# Allegro board RK3588_Template_LP4XD200P232SD8_41R0X41R0_2133MHz_H1R0_V10_20211230.brd (continued)
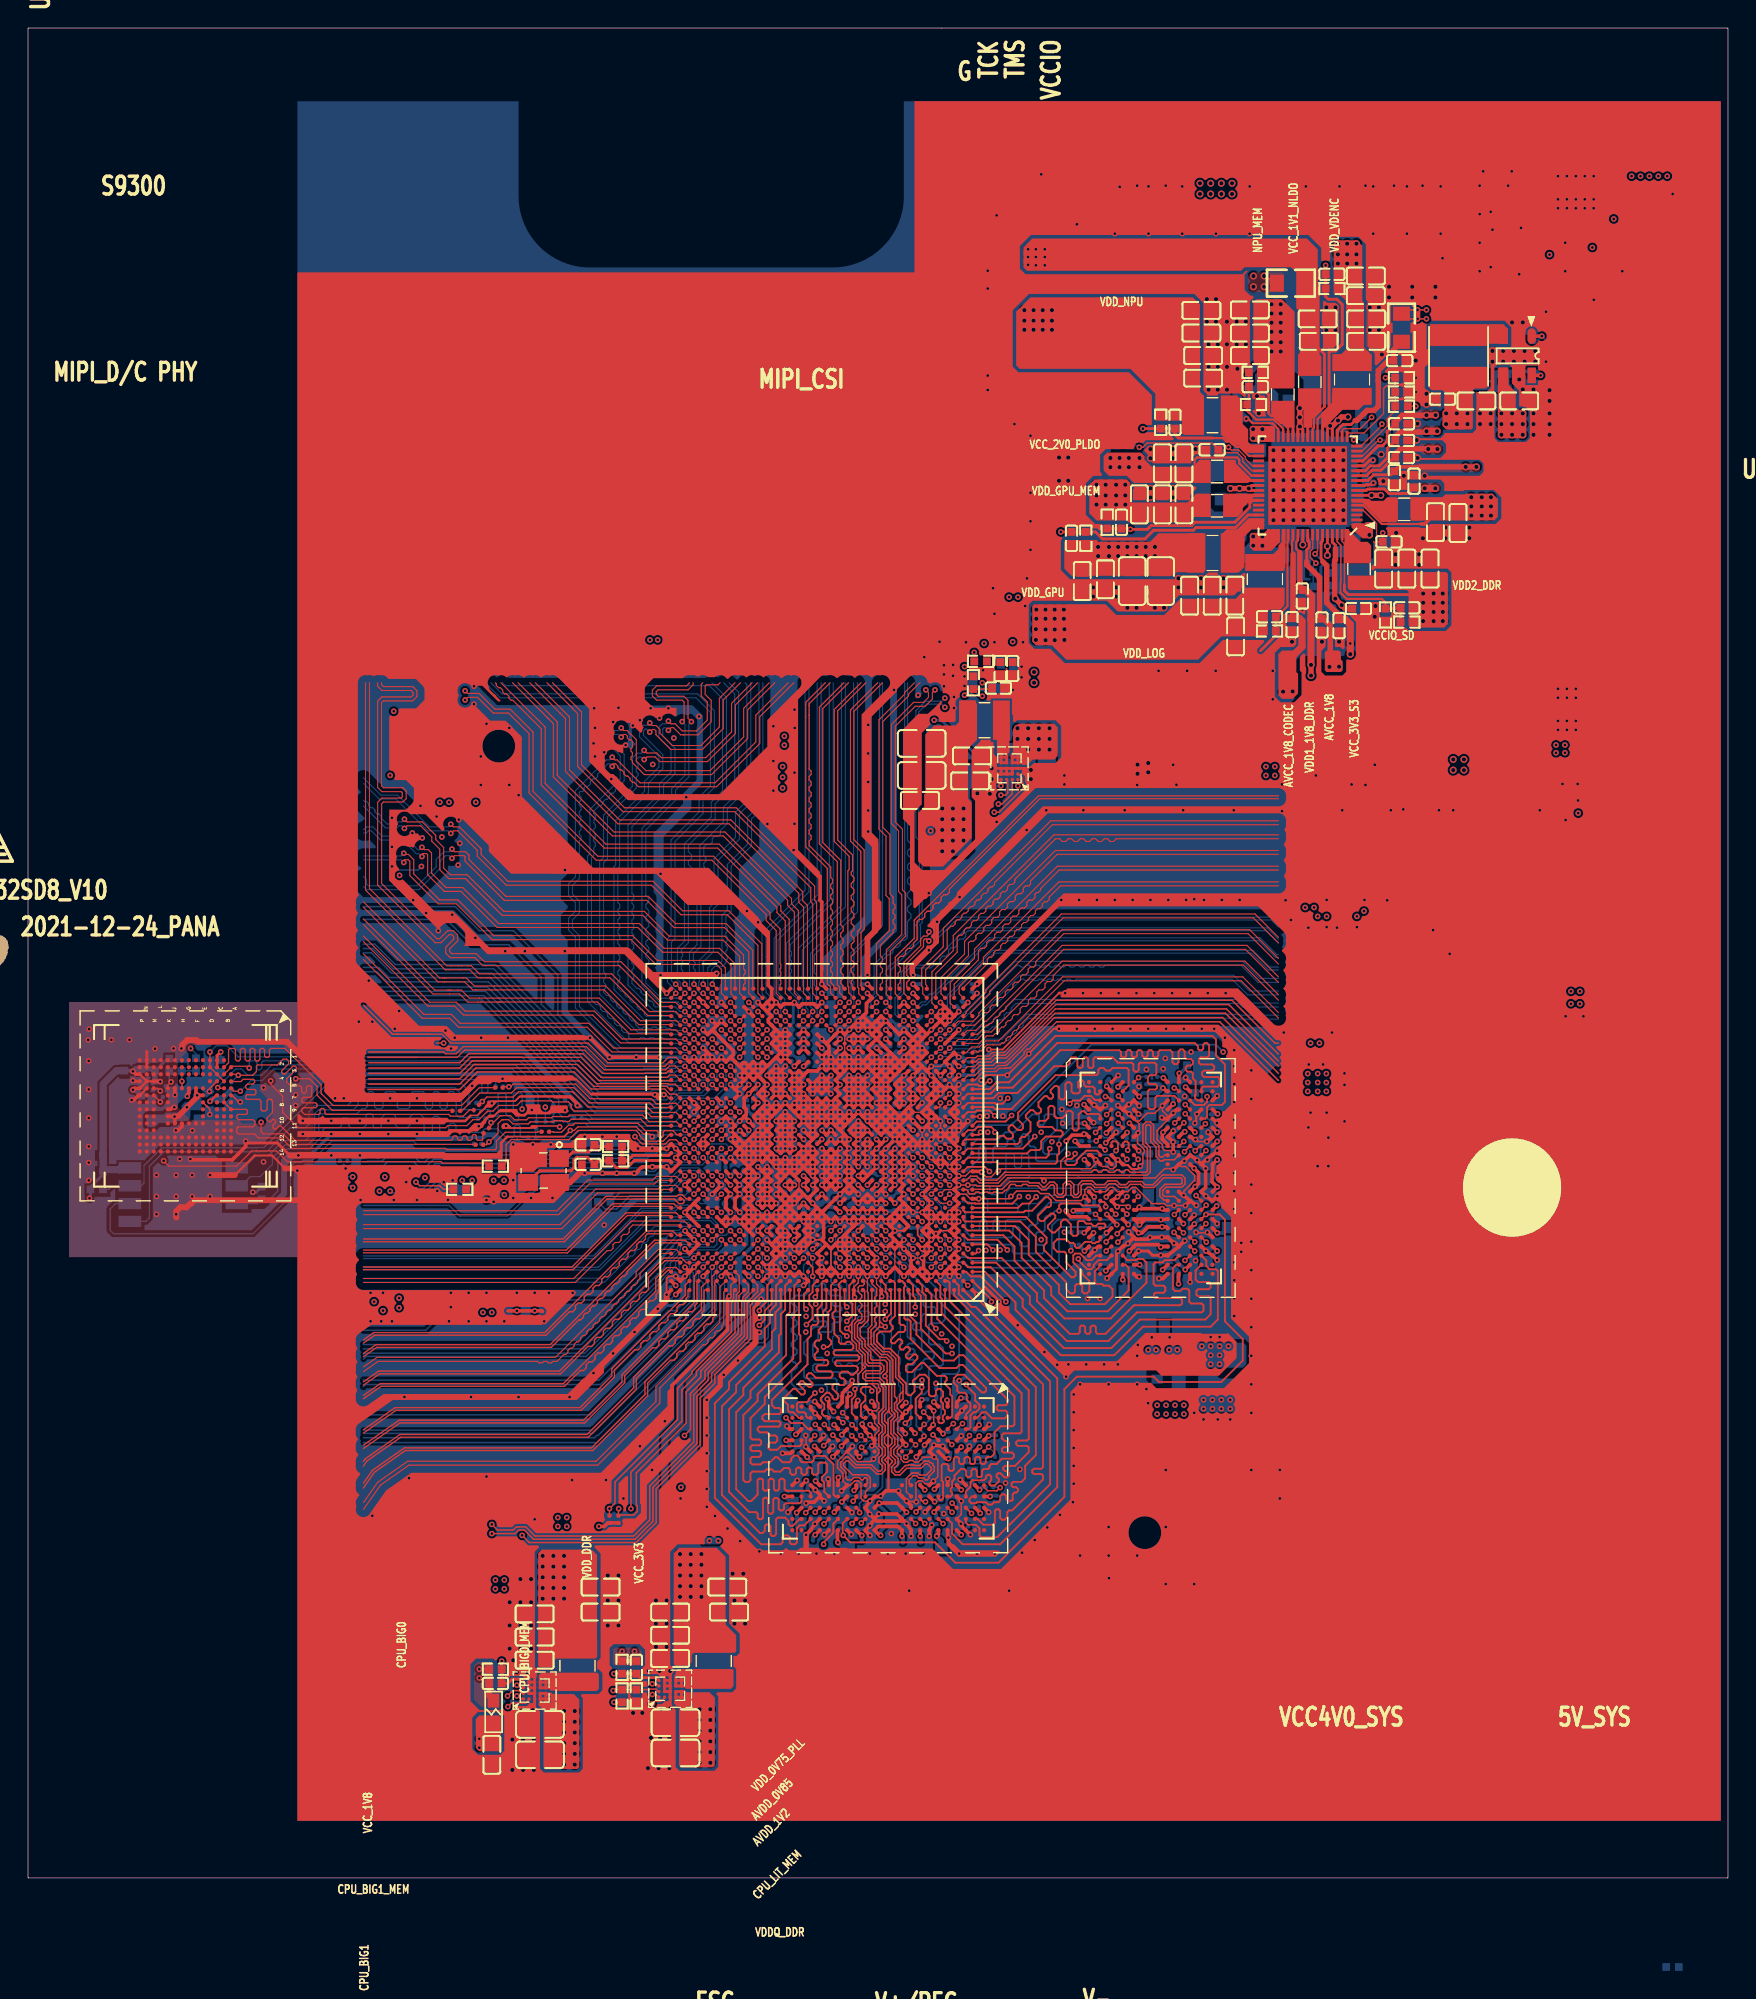
[diagram p0: board, top side]
## Routing (per net, layer and track width the routed paths; a pad name or vN(x,y) marks a point on that pad's centre or on a via; arc(x,y) is an arc through that point) (continued)
MIPI_DPHY0_RX_CLKP: length 24.4
  TOP w0.076: U1000.AN32 v1(47.41,62.98)
  BOTTOM w0.076: v1(47.42,62.98) 47.09,63.3 47.09,65.9 47.62,66.44 47.62,69.42 47.83,69.62 47.83,73.5 49.5,75.18 49.5,76.23 50.31,77.03 50.31,84.29 49.52,85.09
MIPI_DPHY0_RX_D0N: length 24.2
  TOP w0.076: U1000.AP29 v1(48.72,63.63)
  BOTTOM w0.076: 52.32,85.09 52.32,76.2 51.51,75.4 51.51,73.48 50.06,72.03 50.06,68.79 49.68,68.41 49.68,67.73 49.78,67.63 49.78,67.4 49.68,67.3 49.68,67.07 49.78,66.97 49.78,66.74 49.68,66.64 49.68,66.41 49.78,66.3 49.78,66.08 49.68,65.97 49.68,65.75 49.78,65.64 49.78,65.42 49.68,65.31 49.68,65.14 49.44,64.9 48.9,64.9 48.68,64.68 48.68,64.23 48.84,64.06 48.84,63.95 48.68,63.79 48.68,63.67 v1(48.72,63.63)
MIPI_DPHY0_RX_D0P: length 24.5
  TOP w0.076: U1000.AN29 v1(48.72,62.98)
  BOTTOM w0.076: v1(48.72,62.98) 48.4,63.3 48.4,64.79 48.78,65.18 49.33,65.18 49.4,65.25 49.4,68.52 49.78,68.91 49.78,72.15 51.23,73.6 51.23,75.51 52.04,76.32 52.04,85.09
MIPI_DPHY0_RX_D1N: length 23.3
  TOP w0.076: U1000.AP30 v1(48.07,63.63)
  BOTTOM w0.076: v1(48.07,63.63) 48.07,65.21 48.79,65.94 48.79,68.97 49.12,69.3 49.12,72.44 50.65,73.96 50.65,75.75 51.45,76.56 51.45,85.08 51.45,85.09
MIPI_DPHY0_RX_D1P: length 24.3
  TOP w0.076: U1000.AN30 v1(48.07,62.98)
  BOTTOM w0.076: 51.05,85.09 51.17,84.97 51.17,76.68 50.37,75.87 50.37,74.08 48.84,72.56 48.84,69.41 48.51,69.08 48.51,66.05 47.79,65.33 47.79,63.79 47.75,63.75 47.75,63.12 47.89,62.98 v1(48.07,62.98)
MIPI_DPHY0_RX_D2N: length 24.8
  TOP w0.076: U1000.AP32 v1(46.77,63.63)
  BOTTOM w0.076: 48.69,85.09 49.73,84.05 49.73,77.28 48.92,76.47 48.92,75.42 47.02,73.51 47.02,73.06 47.24,72.83 47.24,72.6 47.02,72.38 47.02,72.15 47.24,71.92 47.24,71.69 47.02,71.46 47.02,71.23 47.24,71 47.24,70.78 47.02,70.55 47.02,70.32 47.24,70.09 47.24,69.86 47.02,69.63 47.02,66.57 46.51,66.07 46.51,65.89 46.61,65.79 46.61,65.63 46.51,65.53 46.51,65.35 46.61,65.25 46.61,65.02 46.51,64.92 46.51,64.69 46.61,64.59 46.61,64.36 46.51,64.26 46.51,64.08 46.71,63.88 46.71,63.68 v1(46.77,63.63)
MIPI_DPHY0_RX_D2P: length 39.1
  TOP w0.076: U1000.AN33 v1(46.76,62.98)
  BOTTOM w0.076: 33.78,85.09 33.98,84.89 48.5,84.89 49.45,83.94 49.45,77.39 48.64,76.59 48.64,75.54 46.74,73.63 46.74,66.69 46.23,66.18 46.23,63.97 46.43,63.76 46.43,63.31 v1(46.77,62.98)
MIPI_DPHY0_RX_D3N: length 38.1
  TOP w0.076: U1000.AP33 v1(46.12,63.63)
  BOTTOM w0.076: 32.95,85.09 33.1,84.94 33.74,84.3 47.66,84.3 48.86,83.1 48.86,77.63 48.06,76.83 48.06,76.34 48.06,75.78 46.06,73.78 46.06,66.87 45.81,66.62 45.81,63.88 46.06,63.63 v1(46.12,63.63)
MIPI_DPHY0_RX_D3P: length 38.9
  TOP w0.076: U1000.AN34 v1(46.11,62.98)
  BOTTOM w0.076: 32.56,85.09 32.82,84.83 33.62,84.02 47.55,84.02 48.58,82.99 48.58,77.75 47.78,76.94 47.78,76.71 47.78,76.23 47.78,75.89 45.78,73.9 45.78,67.12 45.53,66.86 45.53,63.77 46.12,63.18 v1(46.12,62.98)
MIPI_DPHY0_TX_CLKN: length 35.8
  TOP w0.076: v1(26.8,75.37) 26.98,75.18 28.07,75.18 29.02,74.23 29.02,73.92 29.59,73.36 29.59,71.9 30.06,71.42 31.25,71.42 33.87,68.81 43.88,68.81 45.65,67.04 49.61,67.04 50.94,65.7 50.94,64.72 51,64.66 51.05,64.61 51.05,64.38 51,64.32 50.94,64.27 50.94,64.04 51,63.99 51.05,63.93 51.05,63.7 51,63.65 50.94,63.59 50.94,63.35 U1000.AP26
  BOTTOM w0.076: 23.88,76.72 23.96,76.64 24.02,76.64 24.02,76.64 24.08,76.64 24.24,76.48 24.24,76.42 24.24,76.35 24.41,76.19 24.47,76.19 24.47,76.19 24.53,76.19 24.69,76.03 24.69,75.97 24.69,75.9 24.86,75.74 24.92,75.74 24.92,75.74 24.98,75.74 25.14,75.58 25.14,75.52 25.14,75.45 25.57,75.03 26.15,75.03 26.3,75.18 26.61,75.18 v1(26.8,75.37)
MIPI_DPHY0_TX_CLKP: length 35.6
  TOP w0.076: U1000.AN26 50.66,62.98 50.66,65.59 49.49,66.76 45.54,66.76 43.77,68.53 33.75,68.53 31.14,71.14 29.95,71.14 29.31,71.78 29.31,73.24 28.74,73.81 28.74,74.11 27.95,74.9 26.98,74.9 v1(26.8,74.72)
  BOTTOM w0.076: 23.88,76.33 25.45,74.75 26.26,74.75 26.42,74.9 26.61,74.9 v1(26.8,74.72)
MIPI_DPHY0_TX_D0N: length 36.9
  TOP w0.076: v1(30.1,75.02) 30.29,74.83 30.71,74.83 32.26,73.28 32.26,72.86 34.16,70.95 44.5,70.95 46.6,68.85 49.89,68.85 52.24,66.5 52.24,63.35 U1000.AP24
  BOTTOM w0.076: 23.88,78.32 25.11,77.09 26.3,77.09 28.56,74.83 29.91,74.83 v1(30.1,75.02)
MIPI_DPHY0_TX_D0P: length 37.1
  TOP w0.076: v1(30.1,74.36) 30.29,74.55 30.59,74.55 31.98,73.16 31.98,72.75 34.05,70.68 44.39,70.68 46.49,68.57 49.78,68.57 51.97,66.38 51.97,62.98 U1000.AN24
  BOTTOM w0.076: v1(30.1,74.36) 29.91,74.55 28.45,74.55 26.19,76.81 25,76.81 23.88,77.93
MIPI_DPHY0_TX_D1N: length 35.5
  TOP w0.076: v1(30.18,73.24) 30.37,73.06 31.15,73.06 31.39,72.82 31.39,72.5 34.02,69.88 44.17,69.88 46.11,67.94 49.7,67.94 51.59,66.04 51.59,63.35 U1000.AP25
  BOTTOM w0.076: 23.88,71.29 24.09,71.08 24.09,70.77 24.23,70.64 27.71,70.64 29.06,71.98 29.06,72.51 29.6,73.06 29.99,73.06 v1(30.18,73.24)
MIPI_DPHY0_TX_D1P: length 35.4
  TOP w0.076: v1(30.18,72.59) 30.37,72.78 31.04,72.78 31.12,72.7 31.12,72.39 33.91,69.6 44.05,69.6 45.99,67.66 49.59,67.66 51.31,65.93 51.31,62.98 U1000.AN25
  BOTTOM w0.076: 23.88,70.59 24.11,70.36 27.83,70.36 29.34,71.87 29.34,72.4 29.72,72.78 29.99,72.78 v1(30.18,72.59)
MIPI_DPHY0_TX_D2N: length 33.3
  TOP w0.076: U1000.AP27 50.33,63.31 50.33,65.09 49.24,66.18 45.29,66.18 43.53,67.95 33.51,67.95 30.94,70.51 29.76,70.51 28.73,71.54 28.73,72.97 28.49,73.21 28.21,73.21 v1(28.04,73.37)
  BOTTOM w0.076: v1(28.04,73.37) 27.87,73.2 27.76,73.2 27.15,73.81 26.79,73.81 26.43,74.17 25.21,74.17 24.55,74.83 24.13,74.83 23.96,74.67 23.88,74.67
MIPI_DPHY0_TX_D2P: length 33.7
  TOP w0.076: v1(28.04,72.72) 28.04,72.87 28.1,72.93 28.37,72.93 28.45,72.85 28.45,71.42 29.59,70.28 29.64,70.23 30.83,70.23 33.39,67.67 43.41,67.67 45.18,65.9 49.12,65.9 50.05,64.97 50.05,62.94 U1000.AN27
  BOTTOM w0.076: 23.88,74.39 24.08,74.39 24.24,74.55 24.43,74.55 25.09,73.89 26.31,73.89 26.67,73.53 27.03,73.53 27.65,72.92 27.84,72.92 v1(28.04,72.72)
MIPI_DPHY0_TX_D3N: length 31.3
  TOP w0.076: U1000.AP28 49.64,63.35 49.64,64.8 49.13,65.32 44.81,65.32 43.04,67.08 33.15,67.08 30.6,69.63 29.3,69.63 27.46,71.48 27.46,72.49 27.09,72.86 26.82,72.86 26.75,72.94 v1(26.75,72.95)
  BOTTOM w0.076: 23.88,72.76 26.56,72.76 v1(26.75,72.95)
MIPI_DPHY0_TX_D3P: length 31.7
  TOP w0.076: U1000.AN28 49.36,62.98 49.36,64.68 49.01,65.04 44.69,65.04 42.93,66.8 33.04,66.8 30.49,69.35 29.19,69.35 27.18,71.36 27.18,72.38 27.06,72.5 26.82,72.5 26.75,72.42 v1(26.75,72.29)
  BOTTOM w0.076: 23.88,72.48 26.56,72.48 v1(26.75,72.29)
MIPI_DPHY1_RX_CLKN: length 25.9
  TOP w0.076: U1000.AL20 v1(55.21,61.68)
  BOTTOM w0.076: v1(55.22,61.68) 55.19,61.68 55.12,61.75 55.12,62.04 55.16,62.08 55.16,62.58 54.26,63.47 54.26,63.92 54.36,64.01 54.36,64.17 54.26,64.26 54.26,64.39 54.36,64.48 54.36,64.64 54.26,64.73 54.26,64.95 54.31,65 54.36,65.04 54.36,65.27 54.31,65.32 54.26,65.36 54.26,65.59 54.31,65.64 54.36,65.68 54.36,65.91 54.31,65.96 54.26,66 54.26,66.42 57.33,69.49 57.33,69.72 57.33,70.43 57.33,70.43 57.33,85.09
MIPI_DPHY1_RX_CLKP: length 26.3
  TOP w0.076: U1000.AK20 v1(55.21,61.03)
  BOTTOM w0.076: v1(55.22,61.03) 54.84,61.4 54.84,62.15 54.88,62.2 54.88,62.46 53.99,63.36 53.99,66.54 57.05,69.6 57.05,70.32 57.05,85.09
MIPI_DPHY1_RX_D0N: length 25.5
  TOP w0.076: U1000.AL18 v1(56.51,61.68)
  BOTTOM w0.076: 59.05,85.09 59.05,71.15 59.06,71.15 59.06,70.92 59.06,70.92 59.06,70.2 59.06,68.77 55.99,65.71 55.99,64.43 56.13,64.28 56.13,64.06 55.99,63.92 55.99,63.55 56.13,63.4 56.13,62.25 56.46,61.93 56.46,61.73 v1(56.52,61.68)
MIPI_DPHY1_RX_D0P: length 26.1
  TOP w0.076: U1000.AK18 v1(56.51,61.03)
  BOTTOM w0.076: v1(56.52,61.03) 56.52,61.23 56.18,61.56 56.18,61.81 55.85,62.14 55.85,63.29 55.71,63.43 55.71,65.82 58.78,68.89 58.78,69.49 58.78,69.49 58.78,70.32 58.78,71.03 58.78,71.03 58.78,85.09
MIPI_DPHY1_RX_D1N: length 25.4
  TOP w0.076: U1000.AL19 v1(55.86,61.68)
  BOTTOM w0.076: v1(55.87,61.68) 55.87,61.87 55.81,61.93 55.75,61.99 55.75,61.99 55.68,62.06 55.68,62.94 55.13,63.49 55.13,63.81 55.13,64.52 55.13,64.53 55.13,66.07 58.19,69.13 58.19,70.79 58.19,85.09
MIPI_DPHY1_RX_D1P: length 26.2
  TOP w0.076: U1000.AK19 v1(55.86,61.03)
  BOTTOM w0.076: v1(55.87,61.03) 55.87,61.23 55.53,61.56 55.53,61.81 55.47,61.87 55.47,61.87 55.4,61.95 55.4,62.83 54.85,63.37 54.85,63.69 54.85,63.69 54.85,64.41 54.85,64.41 54.85,64.41 54.85,66.18 57.91,69.24 57.91,70.68 57.91,70.68 57.91,85.09
MIPI_DPHY1_RX_D2N: length 25.4
  TOP w0.076: v1(53.92,61.68) U1000.AL21
  BOTTOM w0.076: 56.46,85.09 56.46,70.08 56.46,69.84 53.4,66.78 53.4,63.04 53.88,62.56 53.88,61.72 v1(53.92,61.68)
MIPI_DPHY1_RX_D2P: length 26.1
  TOP w0.076: U1000.AK21 v1(53.92,61.03)
  BOTTOM w0.076: v1(53.92,61.03) 53.6,61.35 53.6,62.45 53.12,62.92 53.12,66.9 56.18,69.96 56.18,85.09
MIPI_DPHY1_RX_D3N: length 25.9
  TOP w0.076: v1(53.27,61.68) U1000.AL22
  BOTTOM w0.076: v1(53.27,61.68) 53.08,61.49 52.95,61.49 52.83,61.61 52.83,62.75 52.54,63.05 52.54,63.68 52.54,63.68 52.54,64.4 52.54,65.6 52.54,67.14 55.6,70.2 55.6,85.09
MIPI_DPHY1_RX_D3P: length 26.4
  TOP w0.076: U1000.AK22 v1(53.27,61.03)
  BOTTOM w0.076: v1(53.27,61.03) 53.08,61.21 52.84,61.21 52.55,61.5 52.55,62.64 52.26,62.93 52.26,63.56 52.26,63.57 52.26,63.8 52.26,64.28 52.26,64.28 52.26,64.51 52.26,64.51 52.26,64.76 52.26,64.76 52.26,65 52.26,65.71 52.26,65.71 52.26,67.26 55.32,70.32 55.32,85.09
MIPI_DPHY1_TX_CLKN: length 34.7
  TOP w0.076: 34.89,85.09 37.3,82.68 37.68,82.29 37.68,78.53 37.68,78.5 41.72,74.46 49.62,74.46 54.36,69.72 54.36,69.35 54.84,68.87 54.84,63.35 U1000.AP20
MIPI_DPHY1_TX_CLKP: length 35.5
  TOP w0.076: 34.49,85.09 37.02,82.56 37.4,82.18 37.4,78.42 37.4,78.42 37.4,78.38 41.6,74.18 49.5,74.18 54.08,69.6 54.08,69.24 54.56,68.75 54.56,62.98 U1000.AN20
MIPI_DPHY1_TX_D0N: length 34.3
  TOP w0.076: U1000.AP18 56.14,63.35 56.14,69.47 56.01,69.61 56.01,70.61 50.43,76.19 42.47,76.19 39.41,79.25 39.41,83.01 39.03,83.39 39.03,83.4 37.34,85.09
MIPI_DPHY1_TX_D0P: length 35.1
  TOP w0.076: U1000.AN18 55.86,62.98 55.86,69.35 55.73,69.49 55.73,70.5 50.32,75.91 42.35,75.91 39.13,79.13 39.13,82.89 38.75,83.28 38.75,83.28 36.94,85.09
MIPI_DPHY1_TX_D1N: length 34.5
  TOP w0.076: U1000.AP19 55.49,63.35 55.49,69.23 55.15,69.57 55.15,70.21 50.04,75.32 42.11,75.32 38.54,78.89 38.54,82.65 38.16,83.03 38.16,83.04 36.12,85.09
MIPI_DPHY1_TX_D1P: length 35.3
  TOP w0.076: U1000.AN19 55.21,62.98 55.21,69.12 54.87,69.46 54.87,70.09 49.92,75.05 41.99,75.05 38.27,78.77 38.27,82.54 37.88,82.92 37.88,82.93 35.72,85.09
MIPI_DPHY1_TX_D2N: length 35
  TOP w0.076: U1000.AP21 54.19,63.35 54.19,68.25 53.59,68.85 53.59,69.21 49.21,73.6 41.14,73.6 36.82,77.92 36.82,81.94 33.66,85.09
MIPI_DPHY1_TX_D2P: length 36.1
  TOP w0.076: 33.27,85.09 33.34,85.02 33.34,84.9 33.5,84.74 33.62,84.74 33.78,84.57 33.78,84.45 33.95,84.29 34.07,84.29 34.23,84.13 34.23,84.01 34.39,83.85 34.51,83.85 36.54,81.82 36.54,77.81 41.03,73.32 49.1,73.32 53.31,69.1 53.31,68.73 53.91,68.13 53.91,62.98 U1000.AN21
MIPI_DPHY1_TX_D3N: length 36.6
  TOP w0.076: v1(31.12,84.52) 31.3,84.33 32.12,84.33 33.24,83.21 34.32,83.21 35.95,81.58 35.95,77.35 40.57,72.73 48.81,72.73 49.8,71.74 52.83,68.71 52.83,68.28 53.54,67.56 53.54,65.09 53.59,65.04 53.59,64.77 53.54,64.72 53.54,64.53 53.59,64.48 53.59,64.26 53.54,64.21 53.54,63.93 53.59,63.88 53.59,63.64 53.54,63.59 53.54,63.35 U1000.AP22
MIPI_DPHY1_TX_D3P: length 36.8
  TOP w0.076: U1000.AN22 53.26,62.98 53.26,67.45 52.55,68.16 52.55,68.59 49.52,71.63 48.69,72.45 40.45,72.45 35.67,77.23 35.67,81.46 34.21,82.93 33.12,82.93 32,84.05 31.3,84.05 v1(31.12,83.86)
MIPI_TE0: length 37.4
  TOP w0.089: U1000.Y31 v1(47.41,53.88)
  L3-POWER1 w0.089: 44.99,55.6 46.41,54.19 46.89,54.19 47.11,53.98 47.33,53.98 47.41,53.89 v1(47.41,53.88)
  L3-POWER1 w0.104: v1(29.32,76.58) 29.76,76.14 30.42,76.14 31.37,75.18 31.37,70.51 42.36,59.52 42.36,57.86 44.14,56.08 44.75,56.08 44.93,55.9 44.93,55.66 44.99,55.6
  L6-S2 w0.104: v1(29.32,76.58) 28.9,77 23.88,77
MIPI_TE1: length 25.7
  TOP w0.089: U1000.Y30 v1(48.06,53.88)
  L6-S2 w0.089: v1(48.06,53.88) 47.85,53.88 47.54,54.19 46.4,54.19 46.29,54.29 44.99,54.29
  L6-S2 w0.104: 23.88,53.47 25.85,53.47 26.87,54.48 34.09,54.48 34.69,53.89 37.31,53.89 37.66,54.25 44.94,54.25 44.99,54.29
MIPICSI0_PWREN_H: length 35.1
  TOP w0.089: v1(51.97,44.13) U1000.D25
  L6-S2 w0.089: 49.96,41.04 50,41.08 50.05,41.08 50.4,41.43 50.4,41.92 50.81,42.34 50.81,43.54 51.07,43.8 51.45,43.8 51.77,44.13 v1(51.97,44.13)
  L6-S2 w0.104: 49.96,41.04 49.73,40.81 49.73,40.72 39.79,30.78 23.88,30.78
MIPICSI1_PWREN_H: length 34.2
  TOP w0.089: v1(51.32,43.48) 50.99,43.8 U1000.D26
  L6-S2 w0.089: 50.29,41.04 50.7,41.45 50.7,41.95 51.01,42.26 51.01,43.17 v1(51.32,43.48)
  L6-S2 w0.104: 23.88,30.48 39.82,30.48 49.96,40.63 49.96,40.72 50.29,41.04
Net_883: length 24.6
  L6-S2 w0.089: 48.39,56.77 48.21,56.77 48.19,56.79 47.94,56.79 47.92,56.77 47.75,56.77 ; 48.39,57.4 48.39,57.27 48.39,57.26 48.39,56.99 48.39,56.99 48.39,56.9 ; 48.39,57.53 48.39,57.64 48.39,57.64 48.39,57.91 48.39,57.92 48.39,58.04 ; 50.42,57.79 50.32,57.88 50.32,57.91 50.14,58.09 49.91,58.09 49.91,58.17
  L6-S2 w0.508: 23.88,56.52 24.69,57.33 31.1,57.33 31.62,57.84 42.99,57.84 43.4,57.43 43.96,57.43 44.04,57.35 44.63,57.35 45.09,56.9
Net_2514: length 1.2
  TOP w0.089: 62.69,61.35 v1(63.01,61.03)
  BOTTOM w0.254: 63.63,61.34 63.31,61.03 v1(63.01,61.03)
Net_2515: length 1.1
  TOP w0.089: v1(63.01,60.38) 62.69,60.7 62.69,60.7
  BOTTOM w0.254: v1(63.01,60.38) 63.55,60.38 63.63,60.45
NPU_VSEL: length 89.2
  TOP w0.089: U1000.U32 v1(46.76,52.58)
  TOP w0.104: U2303.A1 v1(70.48,77.74)
  L3-POWER1 w0.089: v1(46.76,52.58) 46.6,52.58 44.99,54.18
  L3-POWER1 w0.104: v1(26.04,83.06) 25.08,82.11 25.08,72.2 26.29,70.99 29.19,70.99 33.25,66.94 33.25,65.92 44.99,54.18
  L6-S2 w0.104: v1(26.04,83.06) 32.64,83.06 32.89,82.8 34.04,82.8 35.31,81.53 42.1,81.53 42.1,81.54 42.36,81.54 42.36,81.53 43.81,81.53 45.34,80.01 54.48,80.01 54.99,79.5 68.72,79.5 v1(70.48,77.74)
OTG0_REXT: length 0.9
  TOP w0.254: U1000.AP12 v1(59.76,63.63)
  BOTTOM w0.254: v1(59.76,63.63) 59.76,63.63 R1405.1
OTG1_REXT: length 0.9
  TOP w0.254: U1000.AP7 v1(63.01,63.63)
  BOTTOM w0.254: R1406.1 63.5,63.63 v1(63.01,63.63)
PCIE20_0_TXN: length 24.7
  TOP w0.091: 23.88,45.29 38.18,45.29 41.21,48.32 46.03,48.32 46.34,48.01 46.61,48.01 46.71,48.11 46.71,48.23 46.59,48.35 U1000.L33
PCIE20_0_TXP: length 24.6
  TOP w0.091: 23.88,45.49 38.1,45.49 41.13,48.51 46.18,48.51 46.32,48.65 46.56,48.65 46.86,48.35 U1000.L32
PCIE20_1_REFCLKN: length 24.7
  TOP w0.076: 23.88,42.39 38.96,42.39 41.23,44.66 41.48,44.66 41.65,44.82 41.65,45.07 41.81,45.24 42.06,45.24 42.22,45.4 42.22,45.65 42.38,45.81 42.64,45.81 42.8,45.97 42.8,46.23 43.05,46.48 46.36,46.48 46.44,46.41 U1000.H33
PCIE20_1_REFCLKP: length 25.1
  TOP w0.076: U1000.H32 46.73,46.76 42.94,46.76 38.85,42.67 23.88,42.67
PCIE20_1_RXN/SATA30_1_RXN: length 23.6
  TOP w0.091: 23.88,43.31 38.81,43.31 42.66,47.16 45.69,47.16 U1000.J34
PCIE20_1_RXP/SATA30_1_RXP: length 24.3
  TOP w0.091: U1000.J33 46.14,47.35 42.58,47.35 38.73,43.5 23.88,43.5
PCIE20_1_TXN/SATA30_1_TXN: length 23.3
  TOP w0.091: 23.88,44.5 38.4,44.5 41.71,47.81 45.69,47.81 U1000.K34
PCIE20_1_TXP/SATA30_1_TXP: length 24.1
  TOP w0.091: U1000.K33 46.28,47.7 45.98,48 41.63,48 38.32,44.69 23.88,44.69
PCIE20_2_REFCLKN: length 26.5
  TOP w0.076: U1000.G30 v1(48.06,46.08)
  BOTTOM w0.076: v1(48.06,46.08) 47.88,46.26 47.75,46.4 47.29,46.4 47.03,46.66 46.5,46.66 46.22,46.38 44.62,46.38 40.93,42.69 23.88,42.69
PCIE20_2_REFCLKP: length 26.1
  TOP w0.076: U1000.G31 v1(47.41,46.08)
  BOTTOM w0.076: v1(47.41,46.08) 47.21,46.08 46.91,46.38 46.62,46.38 46.34,46.1 44.73,46.1 44.61,45.97 44.61,45.83 44.45,45.67 44.3,45.67 44.14,45.51 44.14,45.37 43.98,45.2 43.84,45.2 43.68,45.04 43.68,44.9 43.51,44.74 43.37,44.74 43.21,44.58 43.21,44.43 43.05,44.27 42.9,44.27 41.04,42.41 23.88,42.41
PCIE20_2_RXN/SATA30_2_RXN: length 26.4
  TOP w0.091: U1000.J30 v1(48.06,47.38)
  BOTTOM w0.091: v1(48.06,47.38) 47.64,47.8 47.08,47.8 46.98,47.9 46.23,47.9 46.01,47.68 43.66,47.68 40.27,44.28 23.88,44.28
PCIE20_2_RXP/SATA30_2_RXP: length 25.7
  TOP w0.091: U1000.J31 v1(47.41,47.38)
  BOTTOM w0.091: v1(47.41,47.38) 47.42,47.39 47.42,47.52 47.33,47.61 47,47.61 46.9,47.7 46.31,47.7 46.09,47.48 43.74,47.48 40.35,44.09 23.88,44.09
PCIE20_2_TXN: length 28
  TOP w0.091: U1000.H29 v1(49.36,46.08)
  BOTTOM w0.091: v1(49.37,46.08) 49.14,46.31 49.14,46.52 48.66,46.99 47.23,46.99 47.17,47.05 46.9,47.05 46.9,47.05 46.63,47.05 46.63,47.05 44.18,47.05 40.6,43.47 23.88,43.47
PCIE20_2_TXP: length 27.6
  TOP w0.091: U1000.H30 v1(48.71,46.08)
  BOTTOM w0.091: v1(48.72,46.08) 48.94,46.31 48.94,46.44 48.58,46.8 47.31,46.8 47.15,46.8 47.09,46.86 46.98,46.86 46.98,46.86 46.55,46.86 46.55,46.86 44.26,46.86 40.68,43.28 23.88,43.28
PCIE30_0_REF: length 0.9
  TOP w0.254: U1000.B34 v1(46.11,42.18)
  BOTTOM w0.089: v1(46.11,42.18) 45.86,42.18 R1801.1
PCIE30_1_REF: length 1
  TOP w0.254: U1000.A33 v1(46.11,41.53)
  BOTTOM w0.089: v1(46.11,41.53) 46.1,41.53 R1807.1
PCIE30_PORT0_REFCLKN_IN: length 26.6
  TOP w0.076: U1000.E34 45.78,44.46 45,44.46 43.57,43.04 43.57,42.68 43.39,42.5 43.39,42.38 43.23,42.22 43.1,42.22 42.94,42.05 42.94,41.93 42.78,41.76 42.65,41.76 42.49,41.6 42.49,41.48 42.33,41.31 42.2,41.31 42.04,41.15 42.04,41.03 41.88,40.86 41.75,40.86 41.59,40.7 41.59,40.57 41.43,40.41 41.3,40.41 41.14,40.25 41.14,40.12 40.98,39.96 40.85,39.96 40.69,39.8 40.69,39.67 40.53,39.51 40.4,39.51 40.24,39.35 40.24,39.22 40.08,39.06 39.95,39.06 39.79,38.9 39.79,38.77 39.63,38.61 39.5,38.61 39.34,38.45 39.34,38.32 39.18,38.16 39.05,38.16 38.89,38 38.89,37.87 38.73,37.71 38.6,37.71 38.44,37.55 38.44,37.42 38.27,37.26 38.15,37.26 37.66,36.77 37.38,36.77 37.27,36.67 37.04,36.67 36.94,36.77 36.71,36.77 36.61,36.67 36.38,36.67 36.27,36.77 24.93,36.77 23.88,36.04
PCIE30_PORT0_REFCLKP_IN: length 26.3
  TOP w0.076: 23.88,36.38 24.84,37.05 37.55,37.05 43.29,42.8 43.29,43.16 44.88,44.74 46.15,44.74 U1000.E33
PCIE30_PORT0_RX0N: length 26.4
  TOP w0.091: 23.88,38.07 24.68,38.63 36.87,38.63 38.55,40.3 38.78,40.3 38.97,40.5 38.97,40.73 39.17,40.93 39.4,40.93 39.6,41.12 39.6,41.36 39.79,41.55 40.03,41.55 40.22,41.75 40.22,41.98 40.42,42.17 40.65,42.17 40.84,42.37 40.84,42.6 41.04,42.8 41.27,42.8 41.47,42.99 41.47,43.23 41.66,43.42 41.9,43.42 42.09,43.62 42.09,43.85 42.29,44.04 42.52,44.04 42.71,44.24 42.71,44.47 42.91,44.67 43.14,44.67 43.34,44.86 43.34,45.1 43.53,45.29 43.77,45.29 43.96,45.49 43.96,45.72 44.1,45.86 45.69,45.86 U1000.G34
PCIE30_PORT0_RX0P: length 25.8
  TOP w0.091: U1000.G33 46.21,45.75 45.91,46.05 44.02,46.05 36.79,38.82 24.61,38.82 23.88,38.31
PCIE30_PORT0_RX1N: length 26.5
  TOP w0.091: 23.88,37.1 24.83,37.77 37.25,37.77 39.21,39.73 39.28,39.73 39.35,39.73 39.54,39.92 39.54,40.06 39.68,40.2 39.82,40.2 40.01,40.39 40.01,40.53 40.21,40.73 40.35,40.73 40.54,40.92 40.54,41.06 40.73,41.25 40.87,41.25 41.07,41.45 41.07,41.58 41.26,41.78 41.4,41.78 41.59,41.97 41.59,42.11 41.79,42.3 41.92,42.3 42.12,42.5 42.12,42.64 42.31,42.83 42.45,42.83 42.64,43.03 42.64,43.16 42.82,43.34 44.69,45.21 46.34,45.21 U1000.F33
PCIE30_PORT0_RX1P: length 26.6
  TOP w0.091: U1000.F32 46.79,45.4 44.61,45.4 42.63,43.42 37.17,37.96 24.77,37.96 23.88,37.34
PCIE30_PORT0_TX0N: length 27.6
  TOP w0.091: U1000.D33 46.3,43.94 45.34,43.94 44.17,42.77 44.17,41.89 43.98,41.69 43.72,41.69 43.53,41.5 43.53,41.24 43.34,41.05 43.08,41.05 42.89,40.86 42.89,40.6 42.69,40.41 42.44,40.41 42.25,40.21 42.25,39.96 42.05,39.77 41.8,39.77 41.6,39.57 41.6,39.32 41.41,39.12 41.16,39.12 40.96,38.93 40.96,38.68 40.77,38.48 40.52,38.48 40.32,38.29 40.32,38.04 40.13,37.84 39.87,37.84 37.92,35.89 25.03,35.89 23.88,35.08
PCIE30_PORT0_TX0P: length 27.3
  TOP w0.091: 23.88,35.32 24.96,36.08 37.84,36.08 43.98,42.22 43.98,42.85 45.26,44.14 46.53,44.14 46.86,43.8 U1000.D32
PCIE30_PORT0_TX1N: length 27.4
  TOP w0.091: 23.88,34.11 25.14,35 38.19,35 39.32,36.12 39.44,36.12 39.55,36.12 39.75,36.32 39.75,36.43 39.75,36.55 39.94,36.74 40.17,36.74 40.37,36.94 40.37,37.05 40.37,37.17 40.56,37.36 40.79,37.36 40.99,37.56 40.99,37.67 40.99,37.79 41.18,37.98 41.41,37.98 41.61,38.18 41.61,38.3 41.61,38.41 41.8,38.61 42.03,38.61 42.23,38.8 42.23,38.92 42.23,39.03 42.42,39.23 42.66,39.23 42.85,39.42 42.85,39.54 42.85,39.65 43.04,39.85 43.28,39.85 43.47,40.04 43.47,40.16 43.47,40.28 43.66,40.47 43.9,40.47 44.09,40.66 44.09,40.78 44.09,40.9 44.29,41.09 44.52,41.09 44.71,41.29 44.71,41.4 44.71,41.52 44.88,41.69 44.88,42.6 45.54,43.26 45.69,43.26 U1000.C34
PCIE30_PORT0_TX1P: length 26.9
  TOP w0.091: U1000.C33 46.14,43.45 45.46,43.45 44.69,42.68 44.69,41.77 38.11,35.19 25.08,35.19 23.88,34.35
PCIE30_PORT1_REFCLKN_IN: length 34.5
  TOP w0.076: U1000.B28 49.25,42.06 49.25,39.54 44.7,34.99 44.7,33.92 40.44,29.66 27.03,29.66 24.9,28.17 23.88,26.71
PCIE30_PORT1_REFCLKP_IN: length 34.6
  TOP w0.076: 23.88,26.23 25.1,27.97 27.12,29.38 40.56,29.38 44.98,33.81 44.98,34.87 48.06,37.95 48.24,37.95 48.4,38.11 48.4,38.29 48.56,38.45 48.74,38.45 48.9,38.62 48.9,38.79 49.06,38.95 49.24,38.95 49.4,39.12 49.4,39.29 49.53,39.42 49.53,41.69 U1000.A28
PCIE30_PORT1_RX2N: length 28.7
  TOP w0.091: U1000.A32 47.08,41.85 46.99,41.76 46.99,41.4 46.85,41.26 46.85,41.01 46.65,40.81 46.4,40.81 46.21,40.62 46.21,40.36 46.01,40.17 45.76,40.17 45.56,39.98 45.56,39.72 45.37,39.53 45.11,39.53 44.92,39.33 44.92,39.08 44.73,38.88 44.47,38.88 44.28,38.69 44.28,38.44 44.08,38.24 43.83,38.24 43.64,38.05 43.64,37.79 43.44,37.6 43.31,37.6 43.19,37.6 41.75,36.16 41.75,35.65 39.38,33.28 26.19,33.28 23.88,31.66
PCIE30_PORT1_RX2P: length 28.2
  TOP w0.091: 23.88,31.9 24.49,32.33 26.13,33.48 39.3,33.48 41.56,35.73 41.56,36.24 41.61,36.3 46.79,41.48 46.79,42.21 U1000.B32
PCIE30_PORT1_RX3N: length 30.6
  TOP w0.091: U1000.B31 47.72,42.5 47.62,42.41 47.62,40.89 47.48,40.75 47.48,40.5 47.29,40.3 47.03,40.3 46.84,40.11 46.84,39.85 46.65,39.66 46.39,39.66 46.2,39.47 46.2,39.21 46,39.02 45.75,39.02 45.56,38.82 45.56,38.57 45.36,38.38 45.11,38.38 44.91,38.18 44.91,37.93 44.72,37.74 44.47,37.74 42.48,35.75 42.48,35.24 39.63,32.39 26.47,32.39 23.88,30.57
PCIE30_PORT1_RX3P: length 30.2
  TOP w0.091: 23.88,30.81 26.41,32.58 39.55,32.58 42.29,35.32 42.29,35.83 47.43,40.97 47.43,42.84 U1000.C31
PCIE30_PORT1_TX2N: length 31.5
  TOP w0.091: U1000.A30 48.35,41.89 48.22,41.89 48.13,41.8 48.13,40.39 48,40.25 48,40.12 48,40 47.8,39.8 47.68,39.8 47.55,39.8 47.35,39.61 47.35,39.48 47.35,39.35 47.16,39.16 47.03,39.16 46.91,39.16 46.71,38.97 46.71,38.84 46.71,38.71 46.52,38.52 46.39,38.52 46.27,38.52 46.07,38.32 46.07,38.2 46.07,38.07 45.88,37.88 45.75,37.88 45.62,37.88 43.31,35.56 43.31,34.8 39.88,31.37 26.54,31.37 24.14,29.69 23.88,29.32
PCIE30_PORT1_TX2P: length 31.1
  TOP w0.091: 23.88,29.66 24,29.83 26.48,31.57 39.8,31.57 43.11,34.88 43.11,35.64 47.94,40.47 47.94,42.05 U1000.B30
PCIE30_PORT1_TX3N: length 33.9
  TOP w0.091: U1000.B29 48.9,42.36 48.9,40 48.76,39.87 48.76,39.74 48.76,39.61 48.56,39.42 48.44,39.42 48.31,39.42 48.12,39.23 48.12,39.1 48.12,38.97 47.92,38.78 47.8,38.78 47.67,38.78 47.47,38.58 47.47,38.46 47.47,38.33 47.28,38.14 47.15,38.14 47.03,38.14 46.83,37.94 46.83,37.82 46.83,37.69 46.64,37.49 46.51,37.49 46.39,37.5 46.19,37.3 46.19,37.17 46.19,37.05 46,36.85 45.87,36.85 45.74,36.85 44.11,35.22 44.11,34.33 40.2,30.42 26.87,30.42 24.66,28.88 24.17,28.18 24.17,28.18 23.88,27.76
PCIE30_PORT1_TX3P: length 33.5
  TOP w0.091: U1000.C29 48.7,42.82 48.7,40.08 43.92,35.3 43.92,34.41 40.12,30.62 26.8,30.62 24.52,29.02 23.88,28.1
PCIE30X4_CLKREQN_M1_L: length 32.4
  TOP w0.089: U1000.AL26 v1(50.67,61.03)
  L6-S2 w0.089: 48.94,63.86 49.02,63.77 49.02,63.76 49.02,63.76 49.02,63.5 49.02,63.5 49.02,63.11 49.02,63.11 49.02,62.85 49.02,62.85 49.02,62.48 49.04,62.46 49.04,61.82 49.02,61.81 49.02,61.58 49.27,61.34 49.49,61.34 49.71,61.13 49.71,60.9 49.89,60.72 50.13,60.72 50.34,60.51 50.34,60.24 50.53,60.05 50.8,60.05 50.99,60.24 50.99,60.7 v1(50.67,61.03)
  L6-S2 w0.104: 23.88,65.41 47.39,65.41 48.94,63.86
PCIE30X4_PERSTN_M1_L: length 27.8
  TOP w0.089: v1(50.02,60.38) 50.34,60.05 U1000.AJ27
  L6-S2 w0.089: 45.03,61.47 45.16,61.34 46.89,61.34 47.07,61.16 47.07,60.93 47.3,60.7 48.58,60.7 49.23,60.05 49.69,60.05 v1(50.02,60.38)
  L6-S2 w0.104: 23.88,62.24 44.26,62.24 45.03,61.47
PCIE30X4_PRSNT_L: length 28
  TOP w0.089: U1000.AG28 v1(49.37,59.08)
  L6-S2 w0.089: 45.03,60.82 46.44,59.42 49.02,59.42 v1(49.37,59.08)
  L6-S2 w0.104: 23.88,59.83 24.86,59.83 25.48,60.46 25.48,60.71 25.85,61.08 26.99,61.08 27.63,61.72 43.95,61.72 44.83,60.83 45.03,60.83 45.03,60.82
PCIE30X4_PWREN_H: length 28.4
  TOP w0.089: v1(50.02,54.53) 50.34,54.2 U1000.Y27
  L6-S2 w0.089: 44.99,54.02 46.06,54.02 46.52,53.55 48.83,53.55 49.02,53.75 49.02,53.98 49.24,54.19 49.62,54.19 49.96,54.53 v1(50.02,54.53)
  L6-S2 w0.104: 23.88,52.45 26.45,52.45 27.53,53.53 27.84,53.53 28.54,54.23 33.97,54.23 34.54,53.66 37.4,53.66 37.76,54.02 44.99,54.02
